# Altium PCB MOTHER_BOARD_LS1021_v1.0.PcbDoc (part 8 of 15) (continued)
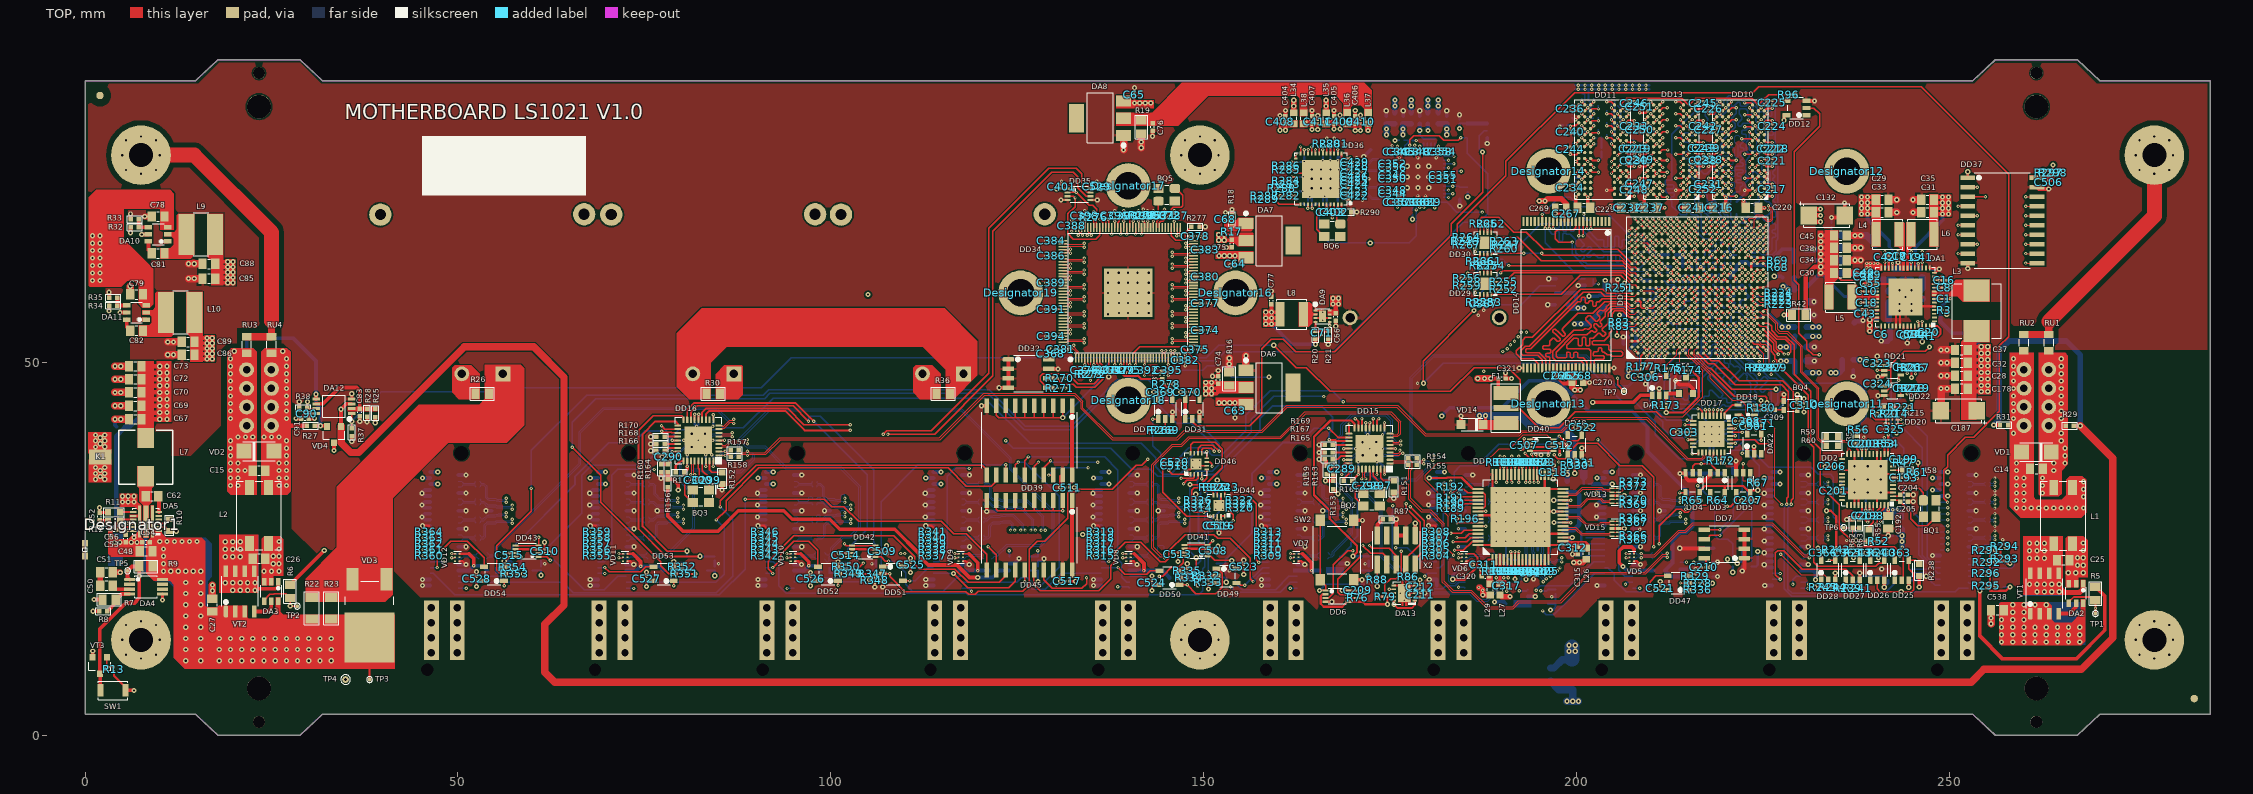
[diagram p0: TOP view]
## Nets (pads, with @x,y where several pads share a name; then routed paths per layer and width w, separated by ;. In a path a pad name is that pad's centre, name@x,y a point inside that pad or via, vN(x,y) a via of type N, cw(c..) or ccw(c..) an arc to the next point about the centre after c; other vN are vias at no path point) (continued)
  TOP w0.4: DA12.4@35.775,45.1 v2(35.775,45.8) ; v2(240.425,45.55) DD22.3@241.275,45.55
  TOP w0.5: R35.2@3.225,58.675 v2(3.225,59.425) ; R33.2@6.1,69.2 v2(6.1,69.928) v2@6.1,69.975 ; v2(7.275,55.75) DA11.1@8.2,55.75 ; v2(10.2,66.225) DA10.1@11.1,66.225 ; v2(28.3,42.475) C91.1@29,42.475 ; R38.2@28.725,43.9 v2(28.725,44.725) ; v2(35.775,39.4) R37.2@35.775,40.1 ; v2(36.85,42.1) C83.1@36.85,42.8 ; v2(37.825,42) R28.1@37.825,42.7 ; DD54.3@56.2,22.6 v2(56.2,23.35) ; v2(75.85,38.15) R166.1@76.625,38.15 ; v2(75.85,39.05) R168.1@76.625,39.05 ; v2(75.85,40.05) R170.1@76.625,40.05 ; v2(77.25,34.475) R160.1@77.25,35.25 ; DD53.3@78.95,22.6 v2(78.95,23.325) ; v2(85.425,32.9) R152.1@85.425,33.675 ; DD52.3@100.975,22.6 v2(100.975,23.325) ; v2(106.975,19.875) DD51.3@106.975,20.7 ; v2(120.225,44.2) DD39.10@120.935,44.2 ; v2(120.925,30.025) 120.925,31.465 DD45.10@120.935,31.475 ; v2(122.58,46.595) DD32.4@123.825,46.595 DD32.3@123.825,47.865 DD32.2@123.825,49.135 DD32.1@123.825,50.405 ; DD32.7@129.225,49.135 v2(130.49,49.135) ; v2(130.825,33.225) 130.825,34.63 DD39.19@131.095,34.9 ; v2(130.85,20.65) 130.85,21.175 131.095,21.42 DD45.19@131.095,22.175 ; v2(137.275,48.075) v2@137.329,48.075 ; v2(143.15,80.325) C76.1@143.15,81.075 ; DD33.3@145.825,42.4 v2(145.825,43.35) ; DD31.3@149.45,42.4 v2(149.45,43.35) ; R277.1@149.45,68.2 v2(150.225,68.2) ; v2(151.2,48.15) C74.1@151.975,48.15 v2(151.975,48.925) ; v2(153.025,65.425) C75.1@153.8,65.425 ; R18.1@153.8,69.75 v2(153.8,70.525) ; C77.1@159.1,58.8 v2(159.1,59.575) ; C404.1@160.975,83 v2(160.975,83.775) ; C407.1@164.55,83 v2(164.55,83.775) ; v2(165.475,37.025) R165.1@166.25,37.025 166.45,36.825 166.45,36.175 R159.1@166.5,36.125 ; v2(165.475,37.925) R167.1@166.25,37.925 ; v2(165.475,38.95) R169.1@166.25,38.95 ; v2(166.725,52.4) R21.2@166.725,53.175 ; C405.1@167.5,83.025 v2(167.5,83.8) ; v2(167.725,54.85) C66.1@167.725,55.625 ; R290.2@169.775,70.175 v2(170.55,70.175) ; SW2.2@170.15,20.875 v2(171.225,20.875) ; SW2.4@170.15,28.825 v2(171.3,28.825) ; C406.1@170.325,83.025 v2(170.325,83.8) ; R87.2@175.1,28.975 v2(175.85,28.975) X2.5@175.85,26.8 X2.3@177.12,26.8 ; v2(175.5,31.775) R151.1@175.5,32.55 ; VD14.2@184.525,41.67 VD14.2@184.525,41.7 v2@184.525,42.836 ; v2@184.525,42.854 v2@184.525,42.836 ; v2@184.534,42.845 v2(184.534,42.827) v2@184.525,42.836 ; C320.1@187.275,21.325 v2(187.275,22.225) ; v2(190.5,48.625) C321.1@190.5,47.85 v2(191.275,47.85) ; v2(197.15,69.975) C269.1@197.15,70.85 ; v2(199.475,24.275) C315.1@200.2,24.275 ; v1(199.9,72.15) 199.9,70.975 C229.2@200.125,70.75 ; DD48.3@200.725,37.575 v2(200.725,38.525) ; C270.1@200.9,47.325 v2(201.75,47.325) ; C232.2@207.7,70.75 C237.2@209.075,70.75 209.075,72.075 v1(209.15,72.15) ; DA23.2@211.1,45.6 v2(211.1,46.525) ; v2(213.275,47.575) 213.825,47.025 215.075,47.025 215.625,46.475 VT4.2@215.625,45.85 ; v2(213.85,25.1) 213.91,25.04 DD7.7@217.125,25.04 ; v2(213.875,35.1) 213.929,35.1 213.968,35.139 214.575,35.139 214.625,35.189 DD4.3@214.625,35.2 214.675,35.15 214.675,34.525 215.025,34.175 217.175,34.175 217.975,34.975 DD3.3@217.975,35.2 ; C241.2@216.425,70.75 216.475,70.8 v1(217.325,70.8) 218.275,70.8 C216.2@218.325,70.75 ; DD5.3@221.4,35.2 v2(221.4,36.775) ; v2(222.225,22.028) 222.525,22.328 DD7.1@222.525,23.77 DD7.2@222.525,25.04 DD7.3@222.525,26.31 DD7.4@222.525,27.58 ; DA22.2@223.825,37.75 v2(223.825,38.725) ; C220.2@224.4,70.75 224.427,70.722 v1(225.212,70.722) ; BQ4.2@227.825,44.85 v2(227.825,45.7) ; BQ4.1@229.625,44.85 v2(229.625,45.675) ; DD12.3@230.85,85.075 v2(231.925,85.075) ; v2(234.2,69.425) 235.675,69.425 C132.2@235.975,69.725 235.975,71.368 v2(235.95,71.393) ; v2(236.25,28.95) R62.2@237.025,28.95 ; v2(240.425,48.075) 241.05,48.075 DD21.3@241.275,48.3 ; v2(241.275,19.85) DD26.3@241.275,20.8 ; v2(241.8,26.75) C192.1@241.8,27.725 ; C205.2@244.425,31.35 v2(245.175,31.35) ; C204.2@244.425,32.25 v2(245.175,32.25) ; v2(244.575,19.85) DD25.3@244.575,20.8 ; v2(252.475,62.6) DD37.10@252.475,63.335 ; DD37.19@261.775,73.495 262.02,73.25 v2(263.325,73.25)
  TOP w0.75: v2(8,69.575) C78.2@8.95,69.575
  TOP w1: v2(4,42.375) v2(4.775,42.375) C67.2@5.875,42.375 ; v2(4,44.182) v2(4.775,44.182) C69.2@5.875,44.182 ; v2(4,45.982) v2(4.775,45.982) C70.1@5.875,45.982 ; v2(4,47.75) v2(4.775,47.75) C72.2@5.875,47.75 ; v2(4,49.5) v2(4.775,49.5) C73.1@5.875,49.5 ; C79.2@6.05,59.125 v2(6.05,60.225) ; v2(11.1,51.025) v2(11.875,51.025) C86.2@12.975,51.025 ; v2(11.1,52.75) v2(11.875,52.75) C89.2@12.975,52.75 ; v2(13.875,61.25) v2(14.65,61.25) C85.2@15.75,61.25 ; v2(13.875,63.225) v2(14.65,63.225) C88.2@15.75,63.225 ; v2(139.275,78.5) v2(139.275,79.275) DA8.1@139.275,80.45 ; v2(141.65,78.8) v2(141.65,79.575) R19.1@141.65,80.675 ; R16.1@153.45,48.7 v2(153.45,49.8) v2(153.45,50.575) ; DA6.1@155.675,48.95 v2(155.675,50.125) v2(155.675,50.9) ; C30.1@236.25,62 v2(237.35,62) ; C34.1@236.25,63.7 v2(237.35,63.7) v2(238.125,63.7) ; C38.1@236.25,65.375 v2(237.35,65.375) v2(238.125,65.375) ; C45.1@236.25,67.025 v2(237.35,67.025) v2(238.125,67.025) ; C33.1@241.85,70.125 v2(242.95,70.125) ; C29.1@241.85,71.825 v2(242.95,71.825) ; v2(245.15,70.125) C31.1@246.25,70.125 ; v2(245.15,71.825) C35.1@246.25,71.825 ; C187.2@248.875,43.525 248.9,43.55 v2(248.9,46.5) v2(249.675,46.5) C178.2@250.775,46.5 ; v2(248.9,48.225) v2(249.675,48.225) C28.1@250.775,48.225 ; v2(248.9,49.95) v2(249.675,49.95) C32.1@250.775,49.95 ; v2(248.9,51.675) v2(249.675,51.675) C37.1@250.775,51.675
  BOTTOM w0.2: C179.1@214.075,56.975 214.075,57.042 214.525,57.492 C105.2@214.525,57.55 ; C173.2@218.25,64.975 218.4,64.975 218.625,65.2 218.625,65.426 218.775,65.576 C134.2@218.775,66.05
  BOTTOM w0.3: C278.2@61.125,22.65 61.125,23.025 ; R150.1@61.125,23.4 61.125,23.025 ; v1(61.625,23.025) 61.125,23.025 ; C280.2@79.775,39.55 v1(80.3,39.55) ; C288.2@80.75,37.075 v1(80.75,37.625) ; C282.2@81.75,42.025 81.75,41.726 v1(82,41.475) ; v1(82,41.475) 82.25,41.725 C296.2@82.25,42.025 ; C294.2@83.25,37.075 v1(83.25,37.625) ; v1(84.025,37.625) 84.25,37.4 C292.2@84.25,37.075 ; v1(84.2,39.55) C284.2@84.725,39.55 ; v1(84.2,41.45) 84.25,41.5 C286.2@84.25,42.025 ; C277.2@84.45,22.65 84.45,23.025 ; R149.1@84.45,23.4 84.45,23.025 ; v1(84.95,23.025) 84.45,23.025 ; v1(105.525,23.025) 106.05,23.025 ; C276.2@106.05,22.65 106.05,23.025 ; R148.1@106.05,23.4 106.05,23.025 ; C275.2@127.775,22.65 R147.1@127.775,23.4 128.325,23.4 v2(128.6,23.675) ; C274.2@152.95,21.7 152.95,22.075 ; R146.1@152.95,22.45 152.95,22.075 ; v1(153.45,22.075) 152.95,22.075 ; C439.1@162.825,74.875 v1(163.375,74.875) ; C438.1@162.825,76.875 163.425,76.875 v1(163.5,76.95) C435.1@163.5,77.55 ; C432.1@162.85,72.975 v1(163.325,72.975) C412.1@163.325,72.275 ; C417.1@164,71.7 164,71.95 v1(164.25,72.2) 164.5,71.95 C437.1@164.5,71.7 ; C420.2@166,71.7 166,72.05 v1(166.25,72.3) 166.5,72.05 C433.1@166.5,71.7 ; v1(166,77.075) C430.1@166,77.55 ; v1(167,77.075) C419.1@167,77.55 ; C436.1@168,71.7 168,72.45 C413.1@168.1,72.55 168.1,72.45 C418.1@168.675,71.875 ; v1(168,77.075) C440.1@168,77.55 168.5,77.55 C431.1@168.675,77.375 ; v1(168.125,75.875) C421.1@168.675,75.875 ; v1(168.175,73.375) C434.1@168.675,73.375 ; C279.2@169.775,38.45 v1(170.425,38.45) ; C291.2@170.75,35.975 v1(170.75,36.7) ; v1(171.65,23.025) 172.15,23.025 ; C281.2@171.75,40.925 171.75,40.55 v1(172,40.3) 172.25,40.55 C295.2@172.25,40.925 ; C273.2@172.15,22.65 172.15,23.025 ; R145.1@172.15,23.4 172.15,23.025 ; C293.2@173.25,35.975 v1(173.25,36.7) 173.525,36.7 C287.2@174.25,35.975 ; v1(174,38.45) C285.2@174.725,38.45 ; v1(174,40.3) 174.25,40.55 C283.2@174.25,40.925 ; C342.1@178,79.775 v1(178.5,79.775) ; C340.2@184.3,82.6 v2(184.3,83.225) ; v1(190.55,26.025) 190.55,24.025 191,23.575 191.25,23.575 R202.1@191.25,23.525 R201.1@191.75,23.525 R200.1@192.25,23.525 ; v3(194.45,27.325) v1(194.45,26.025) 194.45,25.984 194.825,25.609 VD17.3@194.825,24.825 ; v1(196.675,18.575) 197.175,18.575 ; v2(196.95,31.525) C313.2@198.225,31.525 ; v2(196.984,28.526) v2(196.984,28.526) C316.2@198.225,28.525 ; C272.2@197.175,18.2 197.175,18.575 ; R144.1@197.175,18.95 197.175,18.575 ; v1(197.75,81.7) 197.875,81.825 C162.1@198.2,81.825 ; R95.1@199.1,80.925 199.125,80.95 v1(199.9,80.95) ; C161.2@199.4,82.8 199.65,82.55 v1(199.9,82.55) ; v2(199.475,24.275) 199.65,24.1 R299.1@200.65,24.1 R300.1@200.65,24.9 R301.1@200.65,25.7 R302.1@200.65,26.5 R303.1@200.65,27.3 ; C253.1@199.8,87.175 v1(200.25,87.175) C254.1@200.7,87.175 v1(201.15,87.175) C255.1@201.625,87.175 v1(202.075,87.175) C256.1@202.525,87.175 v1(202.975,87.175) C257.1@203.425,87.175 v1(203.875,87.175) C258.1@204.325,87.175 ; C160.1@199.9,74.775 200.475,74.775 v1(200.7,74.55) ; C213.1@200.525,58.45 201.2,58.45 201.627,58.877 v2(201.685,58.877) ; C258.1@204.35,87.175 v1(204.8,87.175) C259.1@205.25,87.175 v1(205.7,87.175) C260.1@206.15,87.175 ; C260.1@206.175,87.175 v1(206.625,87.175) C261.1@207.075,87.175 v1(207.525,87.175) C262.1@207.975,87.175 v1(208.425,87.175) C263.1@208.875,87.175 v1(209.325,87.175) C264.1@209.8,87.175 ; C119.1@206.725,54.075 206.725,53.65 C126.1@206.975,53.4 ; C133.1@206.75,72.3 206.75,72.6 v1(207.1,72.95) ; v1(207.1,84.95) 207.15,85 C150.2@207.75,85 ; v1(207.85,58.05) R249.2@208.375,58.05 208.375,58.45 208.5,58.575 R41.1@208.825,58.575 ; v1(207.85,61.25) 207.85,61.475 R250.2@208.15,61.775 ; R99.1@208.35,80.95 v1(209.15,80.95) ; v2(209.3,49.675) R178.2@209.85,49.675 ; v1(209.45,57.25) 209.75,56.95 210.425,56.95 210.45,56.95 C96.2@210.45,56.975 ; R39.1@209.45,59.3 209.525,59.375 C94.1@210,59.375 ; C97.2@210,58.85 C94.1@210,59.375 ; v1(211.05,59.65) 210.775,59.375 C95.2@210.525,59.375 C94.1@210,59.375 ; v1(211.05,64.45) C188.1@211.575,63.925 ; v1(211.85,51.65) 212.375,51.125 R70.1@212.575,51.125 ; R248.2@212.125,62.05 v1(212.65,62.05) ; C127.1@212.15,55.975 212.175,55.975 v1(212.65,56.45) 212.375,56.725 C120.1@212.375,57 ; C98.2@212.45,59.125 212.45,59.45 v1(212.65,59.65) 212.65,59.95 C99.1@212.775,60.075 ; v1(212.65,61.25) 212.65,60.975 C144.1@212.8,60.825 ; C111.1@212.925,57.55 212.925,57.775 v1(212.65,58.05) 212.925,58.325 C112.1@212.925,58.575 ; R71.1@213.275,51.125 213.725,51.125 v1(214.25,51.65) ; C141.1@213.95,55 213.95,55.35 v1(214.25,55.65) ; C152.2@214.25,60.725 v1(214.25,61.25) 214.25,61.525 C165.2@214.4,61.675 ; v1(214.25,65.25) 214.525,65.525 C110.1@214.75,65.525 ; C105.2@214.525,57.55 214.525,57.775 v1(214.25,58.05) 214.55,58.05 C118.1@214.675,58.175 214.75,58.25 C170.1@215.225,58.25 ; v1(215.05,59.65) C151.1@215.05,60.175 ; v1(215.85,55.65) 216.15,55.65 C107.1@216.275,55.775 ; v1(215.85,57.25) C138.2@216.375,57.25 ; v1(215.85,58.85) 215.896,58.85 216.196,58.55 C116.1@216.375,58.55 ; C117.2@215.85,60.725 v1(215.85,61.25) 215.85,61.65 C164.1@215.875,61.675 ; v1(215.85,65.25) 216.075,65.025 C214.1@216.075,64.7 ; C215.1@216.075,64.2 216.075,63.875 216.05,63.85 ; C147.1@216.125,62.325 C185.2@216.125,62.85 216.125,63.375 v1(215.85,63.65) 216.05,63.85 ; C136.2@216.65,63.85 216.05,63.85 ; C167.1@216.8,60.45 216.925,60.325 C123.1@216.925,59.65 ; C125.1@216.925,58.05 v1(217.45,58.05) ; C137.1@216.925,59.05 C123.1@216.925,59.55 C123.1@216.925,59.65 ; C177.1@216.975,62.25 217.25,62.25 v1(217.45,62.05) ; C135.1@217.225,64.45 217.225,65.025 v1(217.45,65.25) 217.725,64.975 C173.2@218.25,64.975 ; v1(217.45,55.65) 217.725,55.375 C106.2@218.25,55.375 ; v1(217.45,63.65) 217.725,63.375 C184.1@217.725,62.85 ; R94.1@217.6,80.95 v1(218.4,80.95) ; C304.1@217.875,38.225 217.875,39.15 v1(218.125,39.4) 218.375,39.15 C305.2@218.375,38.225 ; C153.1@217.975,56.975 C139.1@217.975,57.55 217.475,58.05 v1(217.45,58.05) ; C142.1@217.975,58.55 217.95,58.55 v1(217.45,58.05) ; C124.2@217.975,59.1 217.45,59.625 v1(217.45,59.65) C123.1@216.925,59.65 ; C155.1@218.15,61.825 218.25,61.725 v1(218.25,61.25) ; C271.2@218.25,21.3 v2(218.9,21.3) ; C182.1@218.25,63.375 218.775,63.375 v1(219.05,63.65) ; R143.1@218.275,23.2 v2(218.925,23.2) ; v1(219.05,55.65) 219.25,55.45 C158.1@219.525,55.45 ; v1(219.05,58.05) 219.1,58.05 C103.2@219.85,57.3 ; v1(219.125,40.4) 220.05,40.4 220.275,40.625 220.275,40.65 C302.2@220.3,40.65 ; v1(219.125,41.4) 219.875,42.15 C307.2@220.3,42.15 ; C183.2@219.275,62.85 v1(219.85,62.85) C175.2@219.85,63.375 ; C128.1@219.725,60.075 219.85,59.95 v1(219.85,59.65) ; C121.1@219.725,60.825 219.85,60.95 v1(219.85,61.25) ; C172.1@220.45,65.45 220.45,64.95 C174.1@220.525,64.875 220.65,64.75 v1(220.65,64.45) ; v1(220.65,56.45) 220.725,56.375 C145.1@220.725,55.975 C169.1@220.725,55.45 ; v1(220.65,58.05) 221.225,58.05 C108.2@221.225,57.95 ; v1(220.65,59.65) C109.2@220.65,60.35 ; C143.1@220.65,63.925 v1(220.65,64.45) ; C156.1@221.45,60.725 v1(221.45,61.25) ; R92.1@221.45,71.525 222.55,72.625 v1(222.55,73.1) ; C104.2@221.475,64.425 220.675,64.425 v1(220.65,64.45) ; v2(222.225,22.028) C208.2@222.225,22.675 ; v1(222.25,57.25) 222.525,57.525 C129.1@222.525,57.775 ; v1(223.05,64.45) 223.325,64.175 C163.2@223.525,64.175 C149.1@224.025,64.175 ; C168.1@223.2,60.45 223.2,60.3 v1(223.85,59.65) ; v1(223.85,58.05) 223.879,58.021 224.129,58.021 224.475,57.675 224.5,57.675 C122.1@224.5,57.65 ; v1(223.875,58.85) C176.1@224.575,58.85 ; C148.2@234.2,68.725 v2(234.2,69.425) ; C196.1@235.975,33.05 236.8,33.05 v2(237.3,32.55) ; C195.1@238.3,37.35 238.3,36.825 v2(239.05,36.075) ; C197.1@238.8,31.225 238.8,32.3 v2(239.05,32.55) ; v2(240.8,36.075) 241.775,37.05 C194.1@242.1,37.05 ; v2(240.95,22.3) DD38.4@241.825,22.3 ; v2(241.275,19.85) 241.825,20.4 DD38.1@241.825,20.8 ; v2(241.8,26.75) C190.1@242.425,26.75 ; DD38.7@244.925,21.3 245.75,21.3 C505.1@245.775,21.325 v2(246.9,21.325)